# Altium PCB iobrd_dig.PcbDoc (continued)
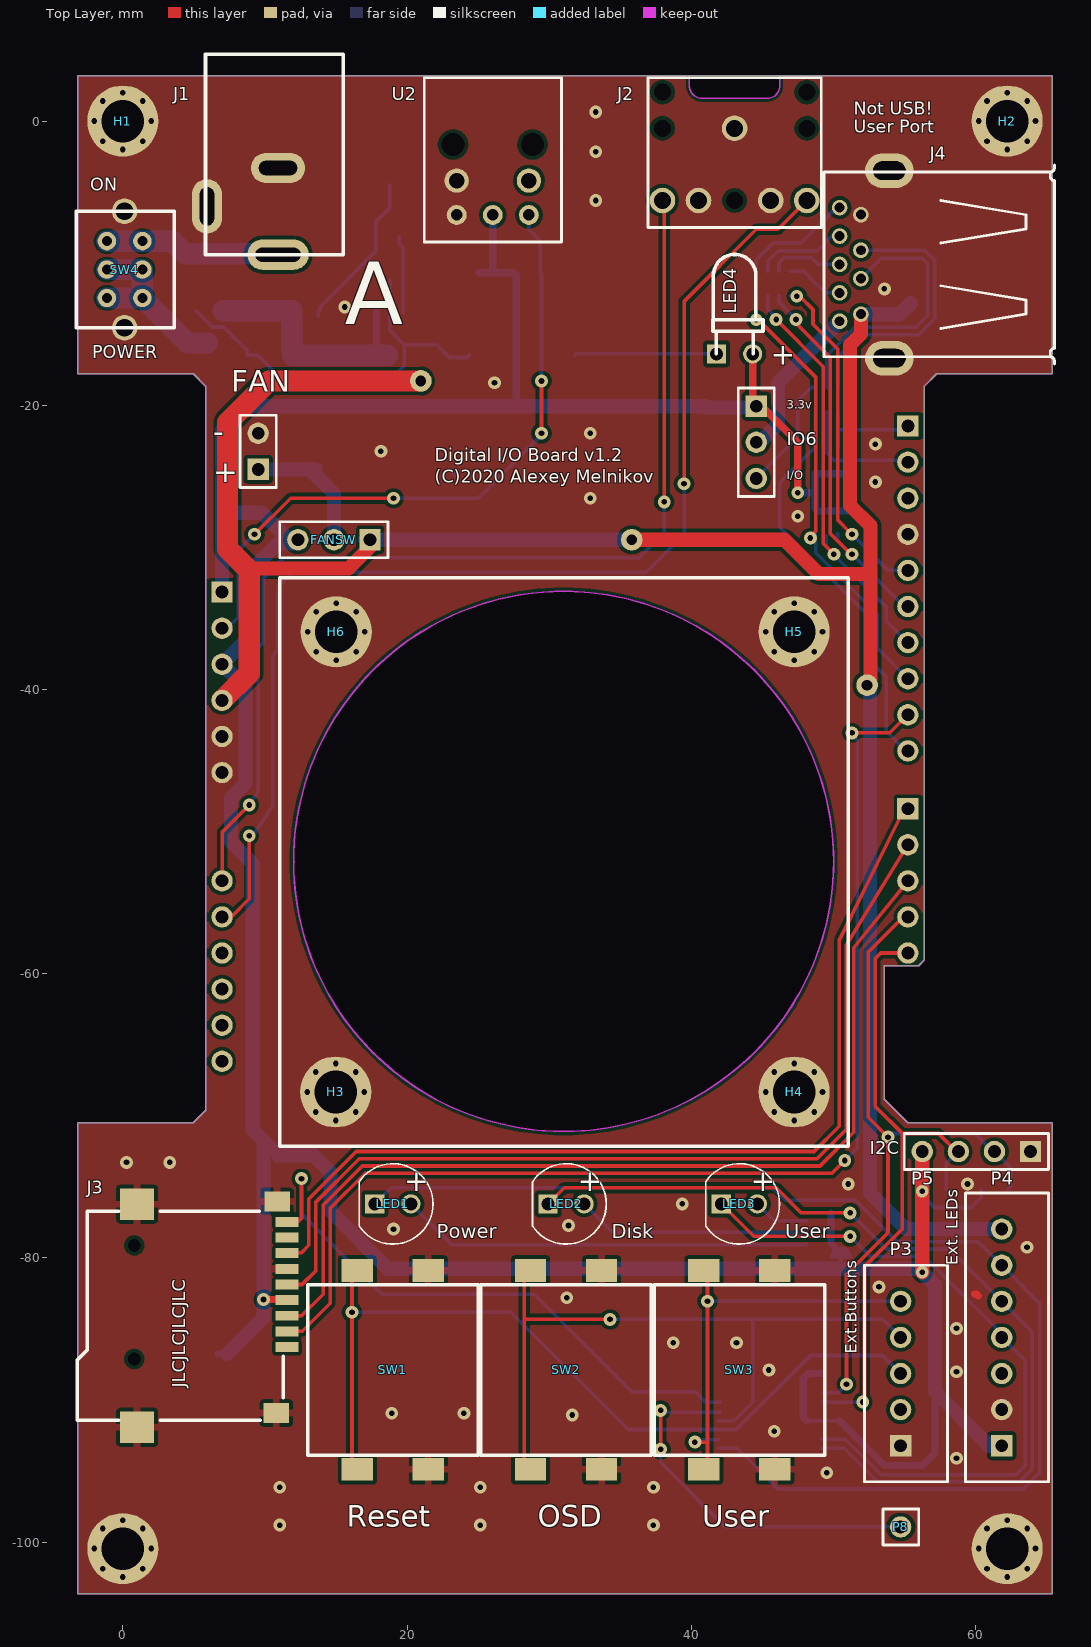
[diagram p0: Top Layer view]
## Footprints (in the part's own frame and the unit in brackets; to place one, negate y for a bottom-side part, rotate by r counter-clockwise, add the part's x,y. Pads: shape width x height; smd on the part's side, far side on the other; paste and mask are expansions set on the pad) (continued)
TOSLINK [mm]
  round 1.7 hole 1.1: 0(-2.54,2.413) 0(2.54,2.413)
  round 1.4 hole 0.8: 1(2.54,0) 2(0,0) 3(-2.54,0)
  round 1 hole 1.6 unplated: ""(-2.794,4.953) ""(2.794,4.953)
  silkscreen extent -4.83,-1.91 4.83,9.65, body extent -4.8,-2.45 4.9,11.05, height 10.05
USB3-A-F-PTH [mm] "USB3-A-F-PTH"
  round 1.1 hole 0.7: D+(1,4.6) D-(-1,4.6) GND(3.5,4.6) GND2(0,6.1) RX+(2,6.1) RX-(4,6.1) TX+(-4,6.1) TX-(-2,6.1) VBUS(-3.5,4.6)
  oval 2.429x3.429 hole 1.3 slot 2.3 at 90 deg: GND(-6.6,2.6) GND(6.6,2.6)
  silkscreen extent -7,-9.02 7,7.2, body extent -7.74,-9.2 7.74,7.35, height 8.02

## Part data
C1 C2 C3 C4 C5 C6: "Ceramic Chip Capacitor - Standard", PackageDocument=Mar-2001, Code_IPC=2012[0805], Code_JEITA=0805, ComponentLink1Description="Manufacturer Link", ComponentLink1URL=http://www.kemet.com/, ComponentLink2Description=Datasheet, ComponentLink2URL=http://www.kemet.com/kemet/web/homepage/kechome.nsf/vapubfilesname/F3102TA.pdf/$file/F3102TA.pdf, DatasheetDocument=Mar-2001, LatestRevisionDate=19-Mar-2004, LatestRevisionNote="Silkscreen size reduced.", Note="Footprint corresponds to dimensions for bulk cassette packaging. This case size has tightened tolerances.", PackageReference=0805, Published=17-Jul-2002, Publisher="Altium Limited"
D1: library part BZX84, "Diode Zener", Code_JEDEC=DO-214-AB, LatestRevisionDate=17-Jul-2002, LatestRevisionNote="Re-released for DXP Platform.", PackageDescription="DO-214-AB/SMC; 2 C-Bend Leads; Body 7.9 x 5.9 mm, inc. leads (LxW)", PackageReference=SMC, PackageVersion=Sep-1996, Published=8-Jun-2000, Publisher="Altium Limited"
F3V F5V R1 R2 R3 R4 R5 R6 R7 R8 R9 R10 R11: library part ERJ6RS, "Low Ohmic Value Thick Film Chip Resistor, 0.1 Ohm to 0.2 Ohm Range, 1%, 2% and 5% Tolerance, 0805 Size, 0.125 W", PackageDocument=Mar-2003, Code_IPC="2012 [0805]", ComponentLink1Description="Manufacturer Link", ComponentLink1URL=http://www.panasonic.com/industrial/components/resistive_products.htm, ComponentLink2Description=Datasheet, ComponentLink2URL=http://www.panasonic.com/industrial/components/pdf/AOA0000CE3.pdf, LatestRevisionDate=19-Mar-2004, LatestRevisionNote="Silkscreen size reduced.", PackageReference=6-0805, Published=17-Dec-2003, Publisher="Altium Limited"
FAN: "Header, 2-Pin", LatestRevisionDate=17-Jul-2002, LatestRevisionNote="Re-released for DXP Platform.", Publisher="Altium Limited"
FANSW IO6: "Header, 3-Pin", LatestRevisionDate=17-Jul-2002, LatestRevisionNote="Re-released for DXP Platform.", Publisher="Altium Limited"
H1 H2 H3 H4 H5 H6 H7 H8: library part M3
J1: library part Powerjack
J2: library part phonejack
J4: library part USBA30-PTH, USB="User Port"
LED1 LED2 LED3 LED4: library part 151031SS04000, "THT LED round mono-color color lens, WL-TMRW, Super Red", Emitting color="Super Red", ComponentLink1Description="Manufacturer URL", ComponentLink1URL=http://www.we-online.com, ComponentLink2Description=Datasheet, ComponentLink2URL=http://katalog.we-online.de/pbs/datasheet/7448042001.pdfhttp://katalog.we-online.de/pbs/datasheet/7448042001.pdfhttp://katalog.we-online.de/pbs/datasheet/7448042001.pdfhttp://katalog.we-online.de/pbs/datasheet/151031SS04000.pdf, PackageReference="Type 3mm", PartNumber=151031SS04000
P1 P2: library part "Header 6", "Header, 6-Pin", LatestRevisionDate=17-Jul-2002, LatestRevisionNote="Re-released for DXP Platform.", Publisher="Altium Limited"
P3: library part "Header 5", "Header, 5-Pin", LatestRevisionDate=17-Jul-2002, LatestRevisionNote="Re-released for DXP Platform.", Publisher="Altium Limited"
P4: library part "Header 7", "Header, 7-Pin", LatestRevisionDate=17-Jul-2002, LatestRevisionNote="Re-released for DXP Platform.", Publisher="Altium Limited"
P5: library part "Header 4", "Header, 4-Pin", LatestRevisionDate=17-Jul-2002, LatestRevisionNote="Re-released for DXP Platform.", Publisher="Altium Limited"
P6: "Header, 5-Pin", LatestRevisionDate=17-Jul-2002, LatestRevisionNote="Re-released for DXP Platform.", Publisher="Altium Limited"
P7: "Header, 10-Pin", LatestRevisionDate=17-Jul-2002, LatestRevisionNote="Re-released for DXP Platform.", Publisher="Altium Limited"
Q1 Q2: "P-Channel MOSFET", LatestRevisionDate=17-Jul-2002, LatestRevisionNote="Re-released for DXP Platform.", PackageDescription="TO, Flat Index; 3 In-Line, Axial Leads; Body Dia. 4.6mm; Lead Dia. 0.5 mm (max)", PackageReference=E3, PackageVersion=1995/1996, Published=8-Jun-2000, Publisher="Altium Limited"
Q3: "PNP Bipolar Transistor", LatestRevisionDate=29-May-2009, LatestRevisionNote="IPC-7351 Footprint Added.", PackageDescription="3-Pin SOT-23 Package 0.95 mm Pitch, 2.4 mm Lead Span", PackageReference=SOT-23B, PackageVersion=Aug-1999, Published=8-Jun-2000, Publisher="Altium Limited"
RN1 RN2 RN3 RN4 RN5: library part resistor_set
SW1 SW2 SW3: library part "tact 12x12"
SW4: library part "SW DPDT"
U1: "MCP23009", Built_By=EMA_UL_Team, Copyright="Copyright (C) 2018 Accelerated Designs. All rights reserved", Manufacturer_Part_Number=MCP23009-E/SS, RefDes=RefDes, Type=DEV, Vendor=Microchip
U2: library part Toslink

## Free pads (board coordinates)
  round 1.524 hole 0.762: 3(20.971,-18.288) 3(35.814,-29.464) 3(52.375,-39.7)

## Via types
v1: diameter 0.9, hole 0.4, Top Layer to Bottom Layer, tented both sides, 73 vias

## Nets (pads, with @x,y where several pads share a name; then routed paths per layer and width w, separated by ;. In a path a pad name is that pad's centre, name@x,y a point inside that pad or via, vN(x,y) a via of type N, cw(c..) or ccw(c..) an arc to the next point about the centre after c; other vN are vias at no path point)
btn_osd: P3.4 SW2.1 SW2.3 U1.15 | length 50.5
  Top Layer w0.254: SW2.3@28.256,-94.446 28.256,-84.201 ; v1(34.29,-84.328) 28.383,-84.328 28.256,-84.201 ; 28.256,-84.201 SW2.1@28.256,-80.884 ; SW2.1@28.256,-80.884 SW2.1@28.687,-80.884 ; SW2.1@28.256,-80.884 28.256,-80.837 28.448,-80.645 SW2.1@28.687,-80.884 ; SW2.1@28.687,-80.884 SW2.1 28.694,-80.891 SW2.1@28.687,-80.884
  Bottom Layer w0.254: v1(34.29,-84.328) 44.323,-84.328 ; U1.15@41.914,-91.455 U1.15 43.038,-91.455 44.323,-90.17 44.323,-84.328 ; P3.4 53.467,-84.328 44.323,-84.328
btn_reset: P3.3 SW1.1 SW1.3 U1.14 | length 59.8
  Top Layer w0.254: SW1.1@16.129,-80.541 SW1.1@16.487,-80.899 ; SW1.1 SW1.1@16.487,-80.899 ; SW1.3@16.637,-94.742 16.383,-94.742 16.129,-94.488 16.256,-94.361 16.129,-94.234 v1(16.129,-83.82) 16.129,-81.511 16.256,-81.384 16.129,-81.257 SW1.1@16.487,-80.899
  Bottom Layer w0.254: v1(16.129,-83.82) 27.305,-83.82 35.56,-92.075 U1.14@41.914,-92.075 ; U1.14@41.914,-92.105 U1.14 43.15,-92.105 48.387,-86.868 53.467,-86.868 P3.3
btn_user: P3.5 SW3.1 SW3.3 U1.13 | length 30.6
  Top Layer w0.254: v1(40.259,-92.964) 41.148,-92.964 ; SW3.1 41.148,-81.146 v1(41.148,-83.058) 41.148,-92.964 ; SW3.3@41.148,-94.892 41.148,-92.964
  Bottom Layer w0.254: v1@40.171,-92.808 41.861,-92.808 U1.13@41.914,-92.755 ; v1(41.148,-83.058) 54.229,-83.058 54.483,-83.312 P3.5
CTS: J4.GND2 RN2.5 | length 5.4
  Top Layer w0.254: J4.GND2@50.229,-10.089 J4.GND2
  Bottom Layer w0.254: RN2.5@46.177,-10.58 RN2.5 46.177,-9.957 46.504,-9.63 48.492,-9.63 48.951,-10.089 J4.GND2
DSR: J4.RX- RN2.1 | length 8.3
  Top Layer w0.254: J4.RX-@50.385,-6.089 J4.RX-
  Bottom Layer w0.254: RN2.1@44.577,-10.58 RN2.1 44.577,-9.779 45.796,-8.56 47.752,-8.56 50.223,-6.089 J4.RX-
DTR: J4.RX+ RN2.3 | length 6.8
  Top Layer w0.254: J4.RX+@50.204,-8.089 J4.RX+
  Bottom Layer w0.254: RN2.3@45.377,-10.58 RN2.3 45.377,-9.868 46.123,-9.122 48.861,-9.122 49.894,-8.089 J4.RX+
GND: C1.1 C2.1 C3.1 C4.1 C5.1 C6.1 D1.1 FAN.2 H1.1 H2.1 H3.1 H4.1 H5.1 H6.1 H7.1 H8.1 J1.1 J1.3 J2.1 J2.3 J2.5 J3.6 J3.10 J3.11 J3.12 J3.13 J4.GND P1.5 P1.6 P3.1 P4.2 P5.1 P7.4 R5.2 R6.1 R11.1 SW1.2 SW1.4 SW2.2 SW2.4 SW3.2 SW3.4 SW4.7 U1.5 U1.20 U2.0@23.495,-4.191 U2.3 | length 0.5
  Top Layer w0.508: 59.944,-82.55 60.071,-82.55 60.198,-82.677
  Bottom Layer w0.508: 23.241,-24.638 23.368,-24.765
  other v1: 11.049,-98.806 25.146,-98.806 37.338,-98.806 11.049,-96.139 25.146,-96.139 37.338,-96.139 49.53,-95.123 58.674,-94.107 45.847,-92.202 31.623,-91.059 18.923,-90.932 24.003,-90.932 58.674,-88.011 45.466,-87.884 38.735,-85.979 43.18,-85.979 58.674,-84.963 31.242,-82.804 53.213,-82.042 63.627,-79.248 19.05,-77.978 31.369,-77.724 39.37,-76.2 51.054,-74.803 59.436,-74.803 0.254,-73.279 3.302,-73.279 47.498,-27.813 32.893,-26.543 52.959,-25.4 18.161,-23.241 52.959,-22.733 32.893,-21.971 26.162,-18.415 15.621,-13.081 53.594,-11.811 33.274,-5.588 33.274,-2.159 33.274,0.635
IO6: IO6.2 J4.TX+ | length 11.1
  Bottom Layer w1: IO6.2 44.831,-22.606 46.101,-21.336 46.101,-18.431 J4.TX+
led_disk: LED2.1 P4.5 U1.9 | length 64.6
  Top Layer w0.254: LED2.1 31.067,-75.057 45.974,-75.057 47.752,-76.835 v1(51.181,-76.835)
  Bottom Layer w0.254: U1.9@49.149,-93.405 U1.9 50.768,-93.405 53.121,-95.758 63.119,-95.758 64.008,-94.869 64.008,-85.217 P4.5 58.166,-79.375 53.721,-79.375 v1(51.181,-76.835)
led_power: LED1.1 P4.6 U1.12 | length 86.8
  Top Layer w0.254: LED1.1 LED1.1@17.732,-76.121
  Bottom Layer w0.254: LED1.1@17.732,-76.121 18.923,-75.057 45.72,-75.057 46.609,-75.946 51.562,-75.946 54.483,-78.867 60.198,-78.867 P4.6 64.516,-83.185 64.516,-95.123 63.373,-96.266 46.101,-96.266 43.24,-93.405 U1.12 U1.12@41.914,-93.405
led_user: LED3.1 P4.4 U1.8 | length 49.3
  Top Layer w0.254: LED3.1@42.116,-76.279 LED3.1 44.402,-78.486 v1(51.181,-78.486)
  Bottom Layer w0.254: LED3.1 LED3.1@42.116,-76.083 ; U1.8@49.149,-92.755 U1.8 50.836,-92.755 53.331,-95.25 62.865,-95.25 63.5,-94.615 63.5,-87.249 P4.4 61.849,-85.344 56.388,-79.883 52.578,-79.883 v1(51.181,-78.486)
NetC1_2: C1.2 F3V.2 F5V.2 FAN.1 FANSW.2 | length 10.2
  Bottom Layer w0.508: C1.2@13.405,-24.751 C1.2@13.843,-24.313
  Bottom Layer w1: FAN.1 C1.2@13.518,-24.511 ; C1.2@13.405,-24.751 14.859,-26.205 FANSW.2 FANSW.2@15.029,-29.294
NetD1_3: D1.3 R8.1 R9.2 | length 11.4
  Bottom Layer w0.254: R8.1@13.757,-13.716 13.757,-13.335 R8.1 13.884,-13.084 17.787,-9.181 17.787,-7.105 18.796,-6.096 D1.3 D1.3@18.796,-4.487
NetIO6_3: IO6.3 RN3.1 | length 8.3
  Bottom Layer w0.254: IO6.3 47.498,-22.225 47.498,-19.685 48.436,-18.747 RN3.1@48.73,-18.747
NetJ1_2: J1.2 SW4.1 SW4.6 | length 12.8
  Bottom Layer w1.5: SW4.1 SW4.6 3.497,-8.45 4.38,-9.333 J1.2@11.303,-9.333
NetJ2_2: J2.2 P2.1 | length 75.4
  Top Layer w0.254: P2.1 6.985,-50.038 v1(8.89,-48.133) ; J2.2 38.1,-5.715 v1(38.1,-26.797)
  Bottom Layer w0.254: v1(8.89,-48.133) 9.525,-47.244 9.522,-46.982 ; 9.515,-46.976 9.517,-46.974 9.517,-37.092 9.89,-36.719 9.89,-32.188 11.344,-30.734 36.322,-30.734 38.1,-28.956 v1(38.1,-26.797)
NetJ2_4: J2.4 P2.2 | length 84
  Top Layer w0.254: P2.2 7.62,-56.007 8.89,-54.737 v1(8.89,-50.292) ; v1(39.497,-25.527) 39.497,-12.7 44.577,-7.62 46.101,-7.62 J2.4
  Bottom Layer w0.254: P2.2 P2.2@7.366,-56.007 ; v1(8.89,-50.292) 9.177,-50.237 10.541,-48.226 10.541,-37.592 10.922,-37.211 10.922,-32.766 11.938,-31.75 36.83,-31.75 39.497,-29.083 v1(39.497,-25.527) ; J2.4@48.133,-5.969 J2.4
NetLED1_2: LED1.2 RN1.1 | length 29.1
  Bottom Layer w0.254: LED1.2 23.135,-79.063 48.065,-79.063 RN1.1
NetLED2_2: LED2.2 RN1.3 | length 16.5
  Bottom Layer w0.254: LED2.2 34.46,-78.196 RN1.3
NetLED3_2: LED3.2 RN1.5 | length 4
  Bottom Layer w0.254: LED3.2 45.852,-77.396 RN1.5
NetLED4_1: LED4.1 R3.1 | length 10
  Bottom Layer w0.254: R3.1 31.918,-16.383 LED4.1
NetP5_2: P5.2 P6.4 R2.2 U1.3 | length 49.3
  Top Layer w0.254: v1(50.927,-88.9) 50.927,-81.153 53.848,-78.232 v1(53.848,-71.501) 52.451,-70.104 52.451,-58.478 54.922,-56.007 P6.4
  Bottom Layer w0.254: U1.3 50.322,-89.505 v1(50.927,-88.9) ; v1(53.848,-71.501) 54.102,-71.247 59.944,-71.247 P5.2@61.341,-72.644 ; P5.2 62.484,-73.66 62.484,-74.971 R2.2@62.271,-75.184
NetP5_3: P5.3 P6.5 R1.1 U1.4 | length 45.9
  Top Layer w0.254: v1(52.07,-90.14) 52.197,-90.013 52.197,-80.613 54.864,-77.946 54.864,-71.247 ; P6.5 53.34,-58.547 52.959,-58.928 52.959,-69.342 54.864,-71.247 ; P5.3@58.801,-72.644 57.404,-71.247 54.864,-71.247
  Bottom Layer w0.254: U1.4 52.055,-90.155 v1(52.07,-90.14) ; R1.1 57.953,-73.365 P5.3
NetP7_1: P7.1 RN3.6 RN4.5 | length 7.7
  Bottom Layer w0.254: RN4.5@50.33,-23.114 RN4.5 50.33,-21.717 ; RN3.6@50.33,-20.447 50.33,-21.717 ; P7.1 54.991,-21.717 50.33,-21.717
NetP7_2: P7.2 RN3.4 RN4.3 | length 8.9
  Bottom Layer w0.254: RN3.4@49.53,-20.447 RN4.3 49.53,-23.368 50.038,-23.876 55.118,-23.876 P7.2
NetP7_5: P7.5 RN2.8 RN5.8 | length 25.5
  Top Layer w0.254: v1(47.427,-12.33) 47.636,-12.33 48.571,-13.265 48.571,-14.297 50.3,-16.026 50.3,-28.064 51.164,-28.928 v1@51.407,-28.928 ; v1@51.572,-28.839 v1@51.572,-28.829 ; P7.5@54.991,-31.623 P7.5
  Bottom Layer w0.254: RN2.8@46.977,-12.28 47.713,-12.28 47.663,-12.33 v1(47.427,-12.33) ; v1(51.308,-29.083) 53.848,-31.623 P7.5 P7.5@55.245,-30.978 ; v1@51.572,-28.839 v1@51.572,-28.829
NetP7_6: P7.6 RN2.6 RN5.6 | length 28.5
  Top Layer w0.254: v1@47.244,-13.97 v1(47.371,-13.97) 47.371,-14.224 49.792,-16.645 49.792,-29.028 51.244,-30.48 v1(51.308,-30.48) 51.308,-30.416 v1@51.371,-30.353 ; P7.6 P7.6@55.245,-33.846
  Bottom Layer w0.254: RN2.6@46.177,-12.28 RN2.6 46.177,-12.735 47.244,-13.802 v1@47.244,-13.97 ; RN5.6@50.292,-29.061 50.292,-29.541 51.308,-30.557 v1(51.308,-30.48) ; v1@51.308,-30.353 v1(51.308,-30.48) ; P7.6 54.991,-34.163 v1(51.308,-30.48)
NetP7_7: P7.7 RN2.4 RN5.4 | length 30.7
  Top Layer w0.254: v1(45.974,-13.97) 49.284,-17.28 49.284,-29.726 v1@49.911,-30.353 ; P7.7 P7.7@55.245,-36.332
  Bottom Layer w0.254: RN2.4@45.377,-12.28 RN2.4 45.377,-13.238 45.974,-13.835 v1(45.974,-13.97) ; RN5.4@49.509,-29.182 49.509,-29.951 v1(50.038,-30.48) ; v1@49.784,-30.48 v1(50.038,-30.48) ; P7.7@55.245,-36.449 P7.7 53.721,-35.179 53.721,-34.195 50.038,-30.512 v1(50.038,-30.48)
NetP7_8: P7.8 RN2.2 RN5.2 | length 33.3
  Top Layer w0.254: v1@44.553,-13.819 48.776,-18.042 48.776,-28.821 v1@48.26,-29.337
  Bottom Layer w0.254: v1(44.577,-13.983) RN2.2 ; v1@48.084,-29.386 48.288,-29.182 v1@48.359,-29.182 ; RN5.2@48.722,-28.878 48.722,-29.182 v1@48.359,-29.182 ; P7.8 53.086,-37.084 53.086,-34.703 48.768,-30.385 48.768,-29.591 v1@48.359,-29.182 ; P7.8@55.245,-38.989 P7.8@55.245,-38.735
  other v1: 48.387,-29.337
NetP7_10: P7.10 RN3.2 RN4.1 | length 28.7
  Bottom Layer w0.254: RN3.2@48.73,-20.447 RN4.1 46.228,-25.439 46.228,-28.575 52.451,-34.798 52.451,-37.846 53.721,-39.116 53.721,-42.926 55.118,-44.323 P7.10
NetP8_1: P8.1 U1.16 | length 26.5
  Top Layer w0.254: v1(37.846,-93.472) v1@37.846,-90.858
  Bottom Layer w0.254: v1(37.846,-93.472) 37.846,-94.402 42.377,-98.933 P8.1 ; v1@37.846,-90.858 41.988,-90.858 U1.16
  other v1: 37.846,-90.731
NetQ1_1: Q1.1 R6.2 R7.1 | length 9
  Bottom Layer w0.254: Q1.1 6.283,-14.49 7.083,-14.49 8.763,-16.17 R6.2 9.484,-16.469 11.344,-18.329 R7.1
NetQ1_2: Q1.2 Q2.2 Q3.2 R7.2 R8.2 R10.2 | length 17.3
  Bottom Layer w0.254: R8.2@11.879,-13.353 R8.2@11.897,-13.335
  Bottom Layer w0.508: R7.2 R7.2@11.938,-16.129 ; R10.2@15.397,-16.469 R10.2 ; 17.846,-16.473 Q3.2
  Bottom Layer w1.5: Q1.2 R8.2@11.879,-13.353 ; R8.2@11.897,-13.716 11.897,-16.088 R7.2@11.938,-16.129 ; R7.2 R10.2@15.397,-16.469 ; R10.2 17.846,-16.473 Q2.2@18.627,-16.473
NetQ1_3: Q1.3 SW4.2 SW4.3 SW4.4 SW4.5 | length 12.9
  Bottom Layer w1.5: SW4.3 SW4.4 ; SW4.2 SW4.5 SW4.4 ; Q1.3@5.953,-15.621 4.548,-15.621 SW4.4
NetQ2_1: Q2.1 Q3.3 R10.1 R11.2 | length 16.3
  Bottom Layer w0.254: R10.1 18.417,-18.333 18.433,-18.349 Q2.1 19.812,-17.224 19.812,-15.748 ; Q3.3 18.796,-14.732 19.812,-15.748 ; R11.2 24.216,-16.637 22.987,-16.637 22.098,-15.748 19.812,-15.748
NetQ3_1: Q3.1 R9.1 | length 5.4
  Bottom Layer w0.254: R9.1@19.44,-8.128 19.44,-8.604 19.746,-8.91 Q3.1
RTS: J4.TX- RN2.7 | length 4.1
  Bottom Layer w0.254: RN2.7@46.977,-10.58 47.918,-10.58 49.427,-12.089 J4.TX-
RX: J4.D+ RN3.5 | length 19.7
  Bottom Layer w0.254: RN3.5@50.33,-18.747 RN3.5 50.33,-16.599 51.89,-15.039 55.996,-15.039 57.15,-13.885 57.15,-9.823 56.416,-9.089 J4.D+
SD_CD: J3.9 R5.1 U1.17 | length 42.5
  Top Layer w0.254: J3.9@12.218,-77.698 11.779,-77.698 J3.9 12.317,-77.472 12.573,-77.216 v1(12.573,-74.422) 12.573,-74.295 v1@12.446,-74.295
  Bottom Layer w0.254: v1@12.446,-74.295 v1(12.573,-74.422) 12.573,-76.9 18.223,-82.55 28.956,-82.55 35.814,-89.408 40.259,-89.408 41.006,-90.155 U1.17
SD_CLK: J3.5 P6.2 | length 68
  Top Layer w0.254: J3.5 12.616,-81.872 13.589,-80.899 13.589,-76.071 16.635,-73.025 48.851,-73.025 50.927,-70.949 50.927,-57.962 54.911,-51.472 P6.2
SD_CS: J3.2 P7.9 | length 83.5
  Top Layer w0.254: J3.2 12.618,-85.172 14.605,-83.185 14.605,-76.492 17.056,-74.041 49.911,-74.041 50.714,-73.238 50.841,-73.238 v1@50.927,-73.152 ; v1@51.181,-43.053 v1(51.308,-43.053) 53.975,-43.053 P7.9
  Bottom Layer w0.254: v1@50.927,-73.152 50.927,-73.025 51.697,-72.255 51.697,-43.569 v1@51.181,-43.053
  other v1: 50.8,-73.152
SD_MISO: J3.7 P6.1 | length 67.6
  Top Layer w0.254: J3.7 11.596,-79.629 12.573,-79.629 13.081,-79.121 13.081,-75.86 16.424,-72.517 48.641,-72.517 50.419,-70.739 50.419,-57.658 P6.1@54.861,-48.639
SD_MOSI: J3.3 P6.3 | length 67.9
  Top Layer w0.254: J3.3 12.575,-84.072 14.097,-82.55 14.097,-76.281 16.845,-73.533 49.062,-73.533 51.435,-71.16 51.435,-58.173 P6.3
spdif: P1.2 R3.2 R4.2 U2.1 | length 47.2
  Top Layer w0.254: P1.2 P1.2@7.366,-35.687 ; v1(9.271,-29.083) 11.811,-26.543 v1(19.05,-26.543) ; v1(29.464,-21.971) 29.591,-21.844 29.464,-21.717 v1(29.464,-18.288)
  Bottom Layer w0.254: P1.2 7.366,-35.687 8.128,-34.925 8.128,-30.226 v1(9.271,-29.083) ; v1(19.05,-26.543) 25.019,-26.543 29.464,-22.098 v1(29.464,-21.971) ; U2.1 28.575,-7.62 29.378,-8.423 R4.2 29.505,-10.795 29.464,-10.836 v1(29.464,-18.288)
TX: J4.D- RN3.3 | length 19.6
  Bottom Layer w0.254: RN3.3@49.53,-18.747 RN3.3 49.53,-16.51 51.52,-14.52 55.797,-14.52 56.642,-13.675 56.642,-10.033 56.261,-9.652 53.38,-9.652 J4.D-
VCC: C2.2 C4.2 C5.2 C6.2 CUT1.1 F3V.1 FANSW.3 IO6.1 J3.4 LED4.2 P1.1 P1.3 P4.1 P5.4 R1.2 R2.1 R4.1 RN1.2 RN1.4 RN1.6 RN1.8 RN4.2 RN4.4 RN4.6 RN4.8 RN5.1 RN5.3 RN5.5 RN5.7 U1.1 U1.6 U2.2 | length 261.2
  Top Layer w0.508: v1(9.906,-82.931) 11.512,-82.931 J3.4 ; IO6.1@44.323,-19.431 LED4.2 ; IO6.1@44.514,-20.002 IO6.1 44.958,-20.066 47.498,-22.606 v1(47.498,-26.162) ; P5.4 P5.4@56.261,-72.263
  Top Layer w1: P1.3 P1.3@7.112,-38.227 ; v1(56.261,-81.009) v1(56.261,-75.311) P5.4
  Bottom Layer w0.254: 48.097,-91.447 48.105,-91.455 U1.6 50.434,-91.455 ; R1.2@56.261,-75.59 57.125,-76.454 59.69,-76.454 60.411,-75.733 R2.1@60.411,-75.184
  Bottom Layer w0.508: C5.2 C5.2@7.334,-86.773 ; C6.2 26.035,-10.668 ; U2.2 26.035,-10.668 ; 27.559,-20.066 27.686,-19.939 27.686,-10.836 R4.1 26.035,-10.668 ; C4.2@40.95,-20.066 C4.2 ; v1(47.498,-26.162) 48.722,-26.162 48.722,-27.259 48.895,-27.432 RN5.7@50.995,-27.432 ; 48.097,-91.447 47.879,-91.229 47.879,-88.479 48.227,-88.131 U1.1@49.276,-88.131 ; 48.73,-26.505 48.73,-24.814 RN4.8@51.005,-24.814 ; 49.832,-76.835 RN1.6 RN1.4 RN1.2 50.344,-79.508 50.686,-79.508 ; 50.434,-91.455 53.594,-94.615 56.261,-94.615 57.15,-93.726 57.15,-89.408 ; R1.2@56.261,-75.59 v1(56.261,-75.311)
  Bottom Layer w1: P1.1 6.985,-27.559 ; C5.2@7.334,-86.773 9.906,-84.201 v1(9.906,-82.931) 9.906,-71.755 ; C4.2@40.95,-20.066 27.559,-20.066 8.636,-20.066 6.985,-21.717 6.985,-27.559 ; C4.2@41.021,-20.165 IO6.1@44.577,-20.165 ; v1@56.024,-80.772 18.669,-80.772 14.605,-76.708 14.605,-73.974 13.402,-72.771 10.922,-72.771 9.906,-71.755 ; v1(56.261,-81.009) 57.15,-81.898 57.15,-89.408 60.96,-93.218 P4.1 ; 6.985,-27.559 9.779,-27.559 11.684,-29.464 FANSW.3@12.192,-29.464 ; 9.906,-71.755 9.144,-70.993 9.144,-52.249 7.62,-50.725 7.62,-47.625 8.636,-46.609 8.636,-39.878 P1.3 9.009,-36.203 9.009,-31.631 10.914,-29.726 12.454,-29.726 FANSW.3@12.319,-29.591 ; FANSW.3@12.192,-29.464 FANSW.3@12.319,-29.591 ; FANSW.3@12.192,-29.464 FANSW.3 FANSW.3@12.319,-29.591
VDD: C3.2 F5V.1 FANSW.1 J4.VBUS P1.4 P4.7 pad.3 Q2.3 | length 159.4
  Top Layer w0.508: 52.23,-31.877 52.611,-31.496
  Top Layer w1: 9.144,-32.004 9.144,-31.623 ; 9.144,-31.496 15.875,-31.496 17.399,-29.972 FANSW.1 ; pad.3@35.814,-29.464 46.568,-29.464 48.981,-31.877 52.23,-31.877 ; J4.VBUS 51.943,-14.986 51.181,-15.748 51.181,-27.051 52.611,-28.481 52.611,-31.496 pad.3@52.611,-39.591
  Top Layer w1.5: P1.4 8.89,-38.862 8.89,-31.623 7.366,-30.099 7.366,-21.209 10.287,-18.288 pad.3@20.971,-18.288
  Bottom Layer w0.508: FANSW.1@17.145,-29.21 FANSW.1
  Bottom Layer w1: F5V.1 FANSW.1 pad.3@35.814,-29.464 ; J4.VBUS 54.681,-13.589 C3.2@55.443,-12.827 ; pad.3@52.578,-39.751 52.578,-75.438 55.118,-77.978 P4.7
pads on no net: D1.2 J2. J3. J3.1 J3.8 P2.3 P2.4 P2.5 P2.6 P3.2 P4.3 P7.3 RN1.7 RN3.7 RN3.8 RN4.7 U1.2 U1.7 U1.10 U1.11 U1.18 U1.19 U2. U2.0@28.575,-4.191

## Polygon pours and split planes (outlines as drawn)
GND on Top Layer "ground" (solid, remove dead copper, pour order 32): -3.175,-17.78 4.953,-17.78 5.842,-18.669 5.842,-69.596 4.953,-70.485 -3.175,-70.485 -3.175,-103.632 65.405,-103.632 65.405,-70.485 55.245,-70.485 53.721,-68.961 53.594,-68.961 53.594,-59.436 56.007,-59.436 56.388,-59.053 56.388,-18.669 57.277,-17.78 65.427,-17.78 65.427,3.247 -3.175,3.247
GND on Bottom Layer "ground" (solid, remove dead copper, pour order 31): -3.175,-17.78 4.953,-17.78 5.842,-18.669 5.842,-69.596 4.953,-70.485 -3.175,-70.485 -3.175,-103.632 65.405,-103.632 65.405,-70.485 55.245,-70.485 53.594,-68.834 53.594,-59.436 56.007,-59.434 56.388,-59.053 56.388,-18.669 57.277,-17.78 65.427,-17.78 65.427,3.247 -3.175,3.247

## Keep-outs
Keep-Out Layer:
  lines w0.1: 4.953,-17.78 -3.175,-17.78 -3.175,3.175 39.878,3.175 39.878,2.49 39.878,2.402 39.912,2.23 39.979,2.069 40.076,1.923 40.2,1.799 40.346,1.702 40.508,1.635 40.679,1.601 40.767,1.601 45.339,1.601 45.427,1.601 45.598,1.635 45.76,1.702 45.906,1.799 46.03,1.923 46.127,2.069 46.194,2.23 46.228,2.402 46.228,2.49 46.228,3.175 65.405,3.175 65.405,-17.78 57.277,-17.78 56.388,-18.669 56.388,-59.055 56.007,-59.436 53.594,-59.436 53.594,-68.834 55.245,-70.485 65.405,-70.485 65.405,-103.632 -3.175,-103.632 -3.175,-70.485 4.953,-70.485 5.842,-69.596 5.842,-18.669 4.991,-17.818 ; 12.02,-52.15 ccw(c31.02,-52.098) 31.02,-71.098 ; 12.02,-52.15 12.02,-52.098 ; 12.02,-52.15 12.02,-52.098 ; 12.02,-52.15 12.02,-52.098 ; 12.02,-52.15 12.02,-52.098 ; 12.02,-52.15 12.02,-52.098 ; 12.02,-52.15 12.022,-52.771 ; 12.02,-52.15 12.022,-52.771 ; 12.02,-52.098 cw(c31.02,-52.098) 31.02,-33.098 ; 12.02,-52.098 12.02,-52.098 ; 12.02,-52.098 12.02,-52.098 ; 12.02,-52.098 12.02,-52.098 ; 12.02,-52.098 12.02,-52.098 ; 12.02,-52.098 12.02,-51.476 ; 12.02,-52.098 12.02,-51.476 ; 12.02,-51.476 12.101,-50.234 ; 12.02,-51.476 12.101,-50.234 ; 12.022,-52.771 12.106,-54.01 ; 12.022,-52.771 12.106,-54.01 ; 12.07,-52.15 cw(c12.02,-52.15) 12.07,-52.151 cw(c31.02,-52.098) 12.07,-52.15 ; 12.07,-52.15 12.07,-52.098 ; 12.07,-52.098 ccw(c12.02,-52.098) 12.07,-52.098 ; 12.07,-52.098 ccw(c12.02,-52.098) 12.07,-52.098 ; 12.101,-50.234 12.264,-49.001 ; 12.101,-50.234 12.264,-49.001 ; 12.106,-54.01 12.271,-55.241 ; 12.106,-54.01 12.271,-55.241 ; 12.264,-49.001 12.506,-47.781 ; 12.264,-49.001 12.506,-47.781 ; 12.271,-55.241 12.517,-56.458 ; 12.271,-55.241 12.517,-56.458 ; 12.506,-47.781 12.828,-46.579 ; 12.506,-47.781 12.828,-46.579 ; 12.517,-56.458 12.841,-57.657 ; 12.517,-56.458 12.841,-57.657 ; 12.828,-46.579 13.228,-45.401 ; 12.828,-46.579 13.228,-45.401 ; 12.841,-57.657 13.243,-58.832 ; 12.841,-57.657 13.243,-58.832 ; 13.228,-45.401 13.704,-44.252 ; 13.228,-45.401 13.704,-44.252 ; 13.243,-58.832 13.72,-59.978 ; 13.243,-58.832 13.72,-59.978 ; 13.704,-44.252 14.255,-43.136 ; 13.704,-44.252 14.255,-43.136 ; 13.72,-59.978 14.272,-61.091 ; 13.72,-59.978 14.272,-61.091 ; 14.255,-43.136 14.877,-42.059 ; 14.255,-43.136 14.877,-42.059 ; 14.272,-61.091 14.895,-62.165 ; 14.272,-61.091 14.895,-62.165 ; 14.877,-42.059 15.568,-41.025 ; 14.877,-42.059 15.568,-41.025 ; 14.895,-62.165 15.586,-63.197 ; 14.895,-62.165 15.586,-63.197 ; 15.568,-41.025 16.325,-40.038 ; 15.568,-41.025 16.325,-40.038 ; 15.586,-63.197 16.344,-64.181 ; 15.586,-63.197 16.344,-64.181 ; 16.325,-40.038 17.145,-39.102 ; 16.325,-40.038 17.145,-39.102 ; 16.344,-64.181 17.164,-65.113 ; 16.344,-64.181 17.164,-65.113 ; 17.145,-39.102 18.025,-38.223 ; 17.145,-39.102 18.025,-38.223 ; 17.164,-65.113 18.043,-65.99 ; 17.164,-65.113 18.043,-65.99 ; 18.025,-38.223 18.96,-37.403 ; 18.025,-38.223 18.96,-37.403 ; 18.043,-65.99 18.978,-66.807 ; 18.043,-65.99 18.978,-66.807 ; 18.96,-37.403 19.947,-36.645 ; 18.96,-37.403 19.947,-36.645 ; 18.978,-66.807 19.964,-67.562 ; 18.978,-66.807 19.964,-67.562 ; 19.947,-36.645 20.981,-35.954 ; 19.947,-36.645 20.981,-35.954 ; 19.964,-67.562 20.997,-68.251 ; 19.964,-67.562 20.997,-68.251 ; 20.981,-35.954 22.059,-35.332 ; 20.981,-35.954 22.059,-35.332 ; 20.997,-68.251 22.073,-68.871 ; 20.997,-68.251 22.073,-68.871 ; 22.059,-35.332 23.174,-34.782 ; 22.059,-35.332 23.174,-34.782 ; 22.073,-68.871 23.187,-69.419 ; 22.073,-68.871 23.187,-69.419 ; 23.174,-34.782 24.324,-34.306 ; 23.174,-34.782 24.324,-34.306 ; 23.187,-69.419 24.335,-69.894 ; 23.187,-69.419 24.335,-69.894 ; 24.324,-34.306 25.502,-33.906 ; 24.324,-34.306 25.502,-33.906 ; 24.335,-69.894 25.511,-70.292 ; 24.335,-69.894 25.511,-70.292 ; 25.502,-33.906 26.703,-33.584 ; 25.502,-33.906 26.703,-33.584 ; 25.511,-70.292 26.711,-70.613 ; 25.511,-70.292 26.711,-70.613 ; 26.703,-33.584 27.923,-33.341 ; 26.703,-33.584 27.923,-33.341 ; 26.711,-70.613 27.929,-70.855 ; 26.711,-70.613 27.929,-70.855 ; 27.923,-33.341 29.157,-33.179 ; 27.923,-33.341 29.157,-33.179 ; 27.929,-70.855 29.16,-71.017 ; 27.929,-70.855 29.16,-71.017 ; 29.157,-33.179 30.398,-33.098 ; 29.157,-33.179 30.398,-33.098 ; 29.16,-71.017 30.399,-71.098 ; 29.16,-71.017 30.399,-71.098 ; 30.398,-33.098 31.02,-33.098 ; 30.398,-33.098 31.02,-33.098 ; 30.399,-71.098 31.02,-71.098 ; 30.399,-71.098 31.02,-71.098 ; 31.02,-71.098 ccw(c31.02,-52.098) 50.02,-52.098 ; 31.02,-71.098 31.642,-71.098 ; 31.02,-71.098 31.642,-71.098 ; 31.02,-33.098 cw(c31.02,-52.098) 50.02,-52.098 ; 31.02,-33.098 31.642,-33.098 ; 31.02,-33.098 31.642,-33.098 ; 31.642,-71.098 32.883,-71.016 ; 31.642,-71.098 32.883,-71.016 ; 31.642,-33.098 32.883,-33.179 ; 31.642,-33.098 32.883,-33.179 ; 32.883,-71.016 34.117,-70.854 ; 32.883,-71.016 34.117,-70.854 ; 32.883,-33.179 34.117,-33.341 ; 32.883,-33.179 34.117,-33.341 ; 34.117,-70.854 35.337,-70.611 ; 34.117,-70.854 35.337,-70.611 ; 34.117,-33.341 35.337,-33.584 ; 34.117,-33.341 35.337,-33.584 ; 35.337,-70.611 36.538,-70.289 ; 35.337,-70.611 36.538,-70.289 ; 35.337,-33.584 36.538,-33.906 ; 35.337,-33.584 36.538,-33.906 ; 36.538,-70.289 37.716,-69.889 ; 36.538,-70.289 37.716,-69.889 ; 36.538,-33.906 37.716,-34.306 ; 36.538,-33.906 37.716,-34.306 ; 37.716,-69.889 38.866,-69.413 ; 37.716,-69.889 38.866,-69.413 ; 37.716,-34.306 38.866,-34.782 ; 37.716,-34.306 38.866,-34.782 ; 38.866,-69.413 39.981,-68.863 ; 38.866,-69.413 39.981,-68.863 ; 38.866,-34.782 39.981,-35.332 ; 38.866,-34.782 39.981,-35.332 ; 39.981,-68.863 41.059,-68.241 ; 39.981,-68.863 41.059,-68.241 ; 39.981,-35.332 41.059,-35.954 ; 39.981,-35.332 41.059,-35.954 ; 41.059,-68.241 42.093,-67.55 ; 41.059,-68.241 42.093,-67.55 ; 41.059,-35.954 42.093,-36.645 ; 41.059,-35.954 42.093,-36.645 ; 42.093,-67.55 43.08,-66.793 ; 42.093,-67.55 43.08,-66.793 ; 42.093,-36.645 43.08,-37.403 ; 42.093,-36.645 43.08,-37.403 ; 43.08,-66.793 44.015,-65.973 ; 43.08,-66.793 44.015,-65.973 ; 43.08,-37.403 44.015,-38.223 ; 43.08,-37.403 44.015,-38.223 ; 44.015,-65.973 44.895,-65.093 ; 44.015,-65.973 44.895,-65.093 ; 44.015,-38.223 44.895,-39.103 ; 44.015,-38.223 44.895,-39.103 ; 44.895,-65.093 45.715,-64.158 ; 44.895,-65.093 45.715,-64.158 ; 44.895,-39.103 45.715,-40.038 ; 44.895,-39.103 45.715,-40.038 ; 45.715,-64.158 46.472,-63.171 ; 45.715,-64.158 46.472,-63.171 ; 45.715,-40.038 46.472,-41.025 ; 45.715,-40.038 46.472,-41.025 ; 46.472,-63.171 47.163,-62.136 ; 46.472,-63.171 47.163,-62.136 ; 46.472,-41.025 47.163,-42.059 ; 46.472,-41.025 47.163,-42.059 ; 47.163,-62.136 47.785,-61.059 ; 47.163,-62.136 47.785,-61.059 ; 47.163,-42.059 47.785,-43.136 ; 47.163,-42.059 47.785,-43.136 ; 47.785,-61.059 48.336,-59.943 ; 47.785,-61.059 48.336,-59.943 ; 47.785,-43.136 48.336,-44.252 ; 47.785,-43.136 48.336,-44.252 ; 48.336,-59.943 48.812,-58.794 ; 48.336,-59.943 48.812,-58.794 ; 48.336,-44.252 48.812,-45.401 ; 48.336,-44.252 48.812,-45.401 ; 48.812,-58.794 49.212,-57.616 ; 48.812,-58.794 49.212,-57.616 ; 48.812,-45.401 49.212,-46.579 ; 48.812,-45.401 49.212,-46.579 ; 49.212,-57.616 49.534,-56.415 ; 49.212,-57.616 49.534,-56.415 ; 49.212,-46.579 49.534,-47.781 ; 49.212,-46.579 49.534,-47.781 ; 49.534,-56.415 49.776,-55.194 ; 49.534,-56.415 49.776,-55.194 ; 49.534,-47.781 49.776,-49.001 ; 49.534,-47.781 49.776,-49.001 ; 49.776,-55.194 49.939,-53.961 ; 49.776,-55.194 49.939,-53.961 ; 49.776,-49.001 49.939,-50.234 ; 49.776,-49.001 49.939,-50.234 ; 49.939,-53.961 50.02,-52.72 ; 49.939,-53.961 50.02,-52.72 ; 49.939,-50.234 50.02,-51.476 ; 49.939,-50.234 50.02,-51.476 ; 50.02,-52.72 50.02,-52.098 ; 50.02,-52.72 50.02,-52.098 ; 50.02,-52.098 50.02,-51.476 ; 50.02,-52.098 50.02,-52.098 ; 50.02,-52.098 50.02,-52.098 ; 50.02,-52.098 50.02,-51.476 ; 31.02,-33.148 ccw(c31.02,-33.098) 31.02,-33.148 ccw(c31.02,-52.098) 31.02,-33.148 ; 49.97,-52.098 cw(c50.02,-52.098) 49.97,-52.097 cw(c31.02,-52.098) 49.97,-52.098

## Other copper
Bottom Layer:
  pour cut-out: 1.152,-97.529 cw(c1.152,-95.029) -1.348,-95.029 cw(c1.152,-95.029) 1.152,-92.529 cw(c1.152,-95.029) 3.652,-95.029 cw(c1.152,-95.029)

## Silkscreen, mask and mechanical layers (free items; w line width, h text height)
Top Overlay:
  lines w0.12: 16.637,-77.724 16.637,-74.676 ; 28.829,-77.724 28.829,-74.676 ; 41.021,-77.724 41.021,-74.676
  lines w0.254: 11.049,-72.136 51.054,-72.136 51.054,-32.131 11.049,-32.131 11.049,-72.136
  text "Not USB!" at 51.435,0.127 h1.52
  text "ON" at -2.286,-5.207 h1.52
  text "A" at 15.621,-15.748 h7.5
  text "+" at 45.593,-17.145 h1.52
  text "3.3v" at 46.736,-20.447 h1
  text "-" at 6.35,-22.606 h1.52
  text "+" at 6.35,-25.4 h1.52
  text "I/O" at 46.726,-25.408 h1
  text "Digital I/O Board v1.2 / (C)2020 Alexey Melnikov" at 21.942,-25.769 h1.52
  text "+" at 19.812,-75.311 h1.52
  text "+" at 32.004,-75.311 h1.52
  text "+" at 44.196,-75.311 h1.52
  text "JLCJLCJLCJLC" at 4.699,-89.154 h1.52 r90
Bottom Overlay:
  text "5V" at 53.848,-14.478 h1
Bottom Solder:
  region: 8.255,-88.9 26.162,-88.9 26.162,-103.682 8.255,-103.682

## Text inside footprints (layer, text, board x,y; h text height)
J1: Mechanical 18 "AMP 787616-1" at 7.962,2.72 h0.86
J4: Mechanical 18 "AMP 787616-1" at 62.665,-5.529 h0.86 r270